# Altium PCB PCB.PcbDoc (continued)
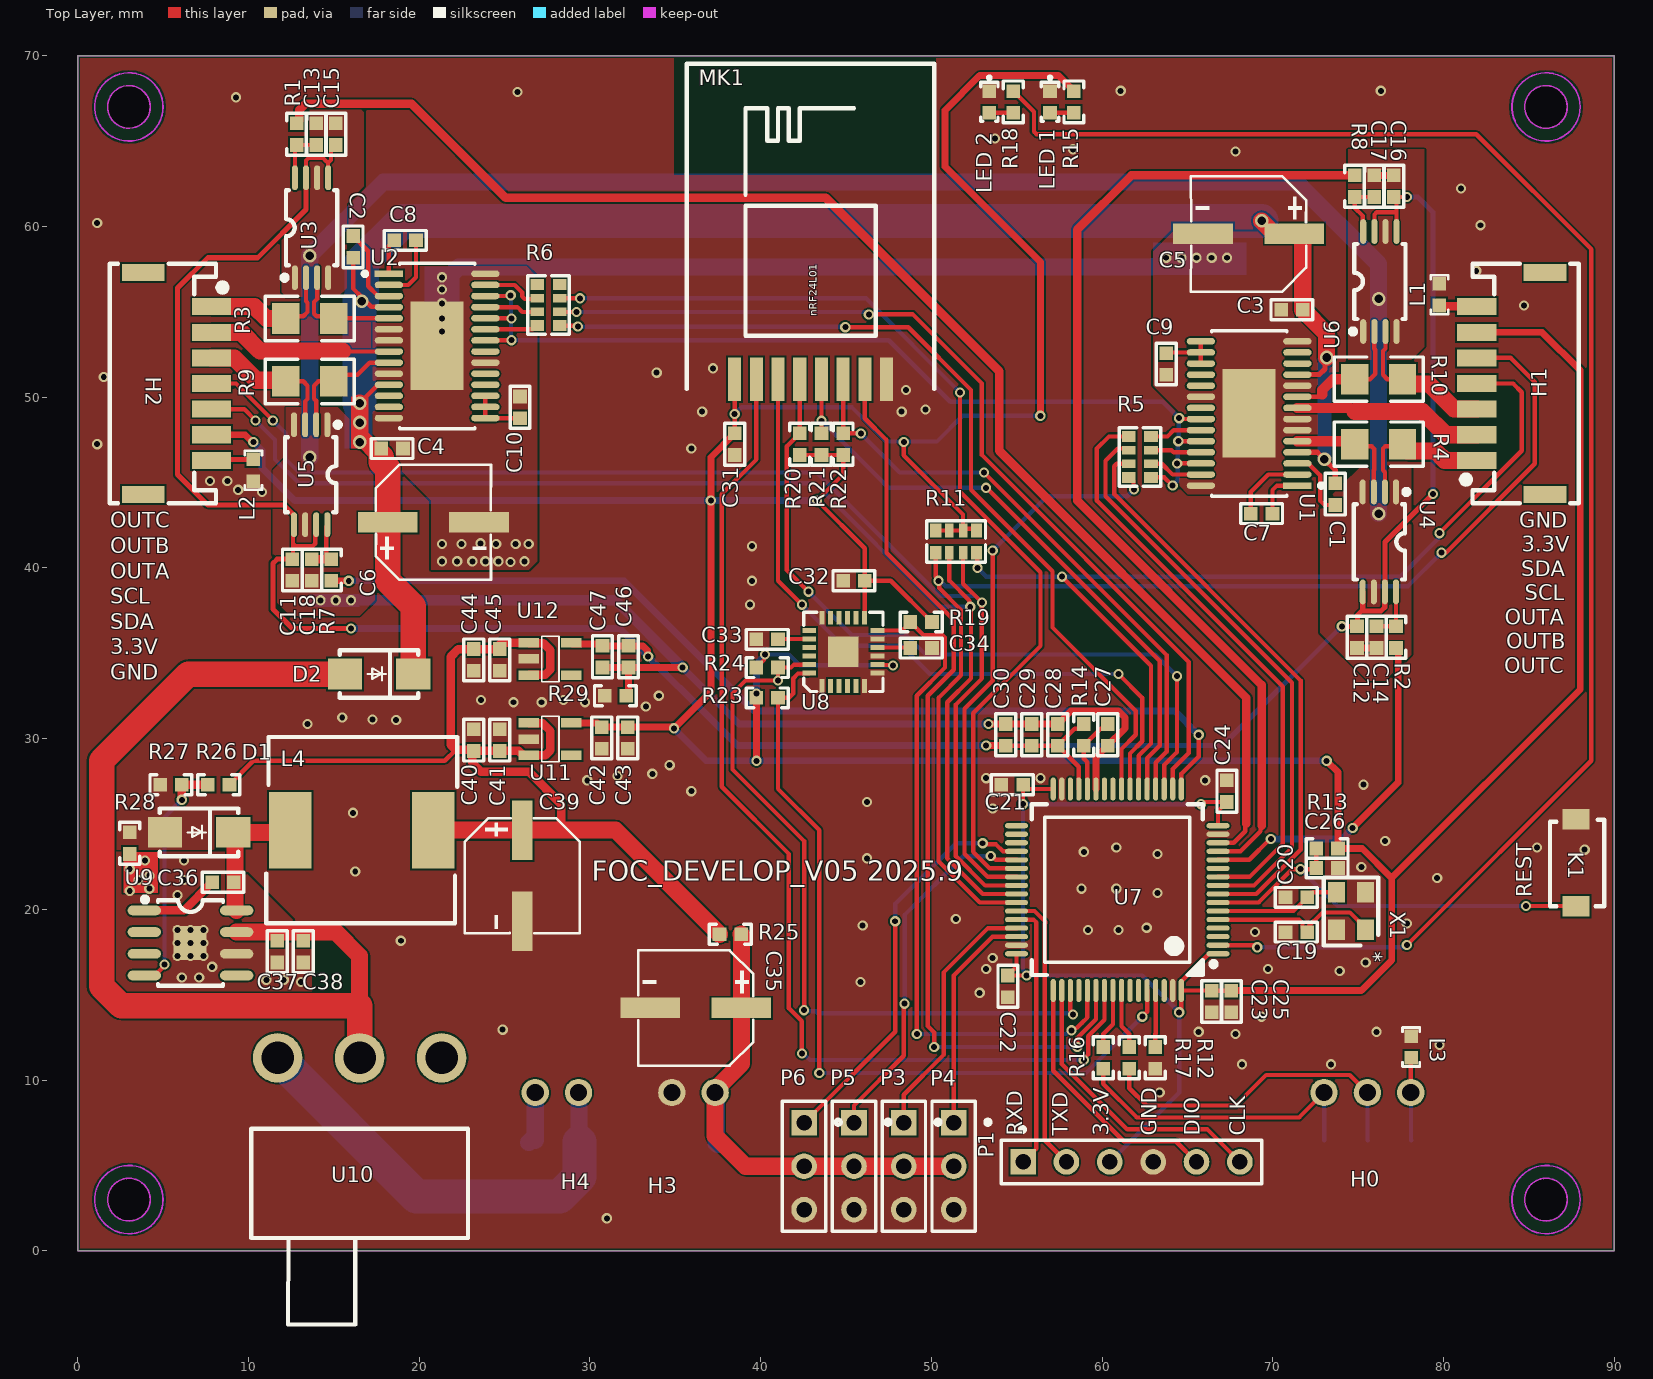
[diagram p0: Top Layer view]
## Nets (pads, with @x,y where several pads share a name; then routed paths per layer and width w, separated by ;. In a path a pad name is that pad's centre, name@x,y a point inside that pad or via, vN(x,y) a via of type N, cw(c..) or ccw(c..) an arc to the next point about the centre after c; other vN are vias at no path point)
3.3V: C21.2 C22.2 C23.2 C24.2 C25.2 C31.1 C32.1 C42.1 C43.1 H1.6 H2.6 MK1.1 P1.3 R11.1 R11.2 R11.3 R11.4 R13.2 R15.2 R19.2 R20.1 R21.1 R22.1 R23.1 R24.1 U7.1 U7.16 U7.32 U7.48 U7.64 U8.8 U8.13 U11.5 | length 318.9
  Top Layer w0.254: C31.1 MK1.1 ; R24.1 40.193,34.605 ; R20.1 R21.1 R22.1 44.831,45.466 v1(43.307,43.942) 46.101,41.148 C32.1 ; U8.13 46.093,39.235 C32.1 ; U8.8 47.094,34.334 47.116,34.312 47.73,34.312 v1(47.752,34.29) ; v1(48.387,47.371) 48.387,46.591 51.854,43.124 51.854,42.342 51.905,42.291 52.705,42.291 R11.1@52.608,42.194 ; R19.2 47.625,39.243 C32.1 ; R11.4 R11.3 R11.2 ; U7.48 54.989,16.635 C22.2 v1(55.58,16.129) ; v1(55.372,26.162) C21.2 55.626,27.051 U7.32 ; v1@64.639,14.186 U7.64 ; v1@66.007,26.289 C24.2 66.789,25.768 U7.16 ; U7.1 66.264,17.401 64.639,15.776 U7.64 ; C25.2 C23.2 66.41,15.251 U7.64
  Top Layer w0.4: H2.6 9.804,47.8 10.233,47.371 v1(10.287,47.371) ; U11.5 30.445,30.924 C42.1 34.802,30.676 34.871,30.607 v1(34.925,30.607) 37.084,32.766 37.084,46.482 C31.1 ; v1(39.751,28.702) R23.1 v1(39.751,32.639) ; v1@56.388,48.895 56.388,57.912 50.8,63.5 50.8,66.802 52.832,68.834 57.443,68.834 R15.2 ; C25.2 75.184,15.24 76.962,17.018 76.962,21.844 ; v1(73.152,28.702) 73.815,28.039 R13.2 75.239,23.567 76.962,21.844 ; H1.6 85.773,53.8 88.011,51.562 88.011,32.893 76.962,21.844
  Bottom Layer w0.254: v1(38.481,49.022) 38.862,49.403 45.356,49.403 47.356,47.402 50.323,47.402 51.832,48.911 v1(56.382,48.911) ; v1(40.259,34.925) 41.656,34.925 42.291,34.29 v1(47.752,34.29) ; v1(55.58,16.129) 55.58,16.223 55.372,16.431 v1(55.372,26.162) v1(65.786,26.162) ; v1@55.626,16.129 62.357,16.129 v1(64.516,13.97) 64.516,9.271 P1.3
  Bottom Layer w0.4: v1(10.287,47.371) 10.795,46.863 10.795,45.847 12.7,43.942 v1(37.084,43.942) ; v1(34.925,30.607) 36.83,28.702 v1(73.152,28.702) ; v1@37.118,43.942 v1(43.307,43.942) ; v1(39.751,32.639) 39.751,34.363 40.259,34.871 v1(40.259,34.925)
5V: C39.1 C40.2 C41.2 C44.2 C45.2 L4.2 R25.1 R26.2 U11.1 U11.3 U12.1 U12.3 | length 65.9
  Top Layer w0.254: R26.2 10.287,28.702 21.502,28.702 22.137,29.337 ; C39.1 C39.1@26.035,25.791
  Top Layer w0.5: U11.1 26.441,30.899 27.228,30.899 27.686,30.441 27.686,29.317 27.393,29.025 U11.3 26.091,29.025 25.837,29.279 C41.2 C40.2 C40.2@23.114,29.192 ; U12.3 26.441,33.749 27.393,33.749 27.686,34.041 27.686,35.179 27.267,35.598 26.441,35.598 U12.1 24.821,35.623 24.446,35.248 C44.2 22.294,35.248 21.844,34.798 21.844,29.63 22.137,29.337 23.051,29.337 23.114,29.274 C40.2@23.114,29.192 ; 28.321,24.641 28.321,26.162 26.416,28.067 23.622,28.067 23.114,28.575 C40.2@23.114,29.192
  Top Layer w1: L4.2 26.032,24.638 C39.1 28.321,24.641 31.493,24.641 R25.1
5V_M: C35.1 H3.2 P3.2 P4.2 P5.2 P5V.0 P6.2 R25.2 | length 30.3
  Top Layer w1: R25.2 38.868,18.536 C35.1 38.868,10.963 37.338,9.433 H3.2 37.338,6.731 39.116,4.953 P6.2 P5.2 P3.2 P4.2
  Bottom Layer w1: H3.2 37.401,9.207 37.401,6.286 P5V.0@37.465,6.223
ADC1_IN1: R2.1 U7.12 | length 20.3
  Top Layer w0.254: U7.12 68.621,22.901 69.843,24.123 v1(69.879,24.123)
  Top Layer w0.4: v1(74.676,24.765) 77.343,27.432 R2.1@77.343,35.306
  Bottom Layer w0.4: v1(69.879,24.123) 69.887,24.13 74.038,24.13 74.673,24.765 v1(74.676,24.765)
ADC1_IN2: R8.1 U7.13 | length 60.3
  Top Layer w0.254: U7.13 68.105,23.401 69.276,24.572 69.276,24.826 69.342,24.892
  Top Layer w0.5: 69.342,24.892 69.342,33.147 58.547,43.942 58.547,59.817 61.722,62.992 R8.1
ADC1_IN3: R1.1 U7.14 | length 83.3
  Top Layer w0.254: U7.14 67.716,23.901 68.387,24.572 68.387,24.953 68.453,25.019
  Top Layer w0.5: R1.1 12.977,66.19 12.977,66.825 13.335,67.183 19.558,67.183 25.063,61.678 43.815,61.678 53.975,51.518 53.975,46.863 68.453,32.385 68.453,25.019
ADC1_IN4: R7.1 U7.17 | length 58.1
  Top Layer w0.254: U7.17 64.639,27.936 65.659,28.956 v1(65.659,30.226)
  Top Layer w0.4: R7.1 v1(15.875,39.243)
  Bottom Layer w0.4: v1(15.875,39.243) 32.004,39.243 39.624,31.623 64.262,31.623 v1(65.659,30.226)
AGND: C11.2 C12.2 C13.1 C14.1 C15.2 C16.2 C17.1 C18.1 C27.1 C28.1 C29.1 C30.1 C46.2 C47.2 R29.1 U3.1 U3.4 U3.6 U4.1 U4.4 U4.6 U5.1 U5.4 U5.6 U6.1 U6.4 U6.6 U7.27 | length 155.2
  Top Layer w0.4: C47.2 C46.2 ; R29.1 32.258,32.639 C46.2 ; v1(35.433,34.163) C46.2 ; v1(53.34,30.861) C30.1 C29.1 C28.1 58.166,31.623 60.96,31.623 61.341,31.242 61.341,30.607 C27.1 59.639,28.905 U7.27 ; C12.2 C14.1 ; C17.1 C16.2
  Bottom Layer w0.4: v1(35.433,34.163) 38.735,30.861 v1(53.34,30.861)
  Bottom Layer w0.6: v1(16.002,38.1) 31.496,38.1 v1(35.433,34.163)
  Bottom Layer w1: v2(13.589,46.482) v2(13.589,58.293) 17.907,62.611 71.374,62.611 76.2,57.785 v2(76.2,55.753) v2(76.2,43.18)
  other v1: 14.224,38.1 15.113,38.1
BOOT0: R12.2 U7.61 | length 3.3
  Top Layer w0.254: R12.2 63.119,12.7 63.139,12.72 U7.61
DRV_EN: R5.8 U7.39 | length 32.7
  Top Layer w0.254: v1(53.594,41.021) 53.594,33.401 51.943,31.75 51.943,23.255 53.297,21.901 U7.39 ; R5.8 61.64,45.301 61.838,45.103 61.838,44.625 v1(61.867,44.596)
  Bottom Layer w0.254: v1(53.594,41.021) 56.769,44.196 61.468,44.196 v1(61.867,44.596)
GND: "LED 1.2" "LED 2.2" C19.1 C20.1 C21.1 C22.1 C23.1 C24.1 C25.1 C26.1 C31.2 C32.2 C33.2 C34.1 C35.2 C39.2 C40.1 C41.1 C42.2 C43.2 C44.1 C45.1 D1.2 GND.0 H3.1 K1.2 L1.2 L2.2 L3.2 MK1.8 P1.4 P3.3 P4.3 P5.3 P6.3 R12.1 R27.1 R28.1 R29.2 U7.15 U7.31 U7.47 U7.63 U8.1 U8.6 U8.7 U8.9 U8.11 U8.18 U11.2 U12.2 X1.2 X1.4
  other v1: 30.988,1.905 63.373,9.271 68.199,10.922 73.406,10.922 79.756,12.065 67.818,12.7 65.659,12.827 76.073,12.827 24.892,12.954 69.342,13.716 52.832,15.113 45.847,15.748 73.914,16.383 53.213,16.51 69.723,16.51 75.438,16.891 53.594,17.145 18.923,18.161 68.961,18.669 59.182,18.796 60.96,18.796 62.611,18.923 45.974,19.05 77.851,19.177 51.435,19.431 63.246,20.955 58.801,21.209 60.833,21.209 79.629,21.844 16.256,22.225 75.184,22.479 46.228,22.987 63.246,23.241 58.928,23.368 88.265,23.495 60.833,23.622 85.471,23.622 76.581,24.003 16.129,25.654 53.594,25.908 46.228,26.289 35.941,26.924 75.311,27.305 29.845,27.559 66.04,27.559 53.213,27.686 56.388,27.686 31.623,27.813 33.655,27.94 34.671,28.448 13.462,30.861 18.654,31.088 17.272,31.115 15.494,31.242 33.274,31.877 25.527,32.131 27.178,32.131 29.718,32.131 23.622,32.258 28.448,32.258 34.036,32.512 39.37,37.846 39.497,39.243 39.497,41.275 10.795,44.45 9.398,44.577 7.747,45.085 8.763,45.085 35.941,46.99 1.143,47.244 36.576,49.149 48.26,49.149 49.657,49.276 48.514,50.419 1.524,51.181 33.909,51.435 37.211,51.689 84.709,55.372 81.915,57.404 82.169,60.071 1.143,60.198 81.026,62.23 67.818,64.389 58.293,64.516 53.721,65.151 9.271,67.564 25.753,67.876 61.087,67.945 76.327,67.945
GT24_CE: MK1.2 U7.55 | length 63.5
  Top Layer w0.254: MK1.2 39.751,46.355 37.719,44.323 37.719,27.178 41.656,23.241 41.656,14.203 42.418,13.441 v1(42.418,11.557) ; v1(58.928,11.176) 58.928,11.244 59.182,11.498 59.182,12.573 60.139,13.53 U7.55
  Bottom Layer w0.254: v1(42.418,11.557) 42.512,11.557 42.893,11.176 v1(58.928,11.176)
GT24_IRQ: MK1.7 U7.54 | length 54.2
  Top Layer w0.254: MK1.7 46.101,48.768 47.371,47.498 47.371,40.894 51.308,36.957 51.308,34.036 49.784,32.512 49.784,13.168 50.165,12.787 v1(50.165,11.938) ; v1(58.547,11.938) 58.547,12.471 59.639,13.562 U7.54
  Bottom Layer w0.254: v1(50.165,11.938) v1(58.547,11.938)
HSE_I: C19.2 U7.5 X1.1 | length 9.9
  Top Layer w0.254: U7.5 71.531,19.401 71.736,19.196 71.736,18.942 71.755,18.923 72.009,18.923 72.906,19.82 74.514,19.82 75.438,18.896 X1.1
HSE_O: C20.2 U7.6 X1.3 | length 7.4
  Top Layer w0.254: U7.6 71.209,19.901 C20.2 72.304,20.996 X1.3
I2C1_SCL: R24.2 U7.51 U8.23 | length 43.2
  Top Layer w0.254: v1(42.545,14.097) 42.545,24.003 38.354,28.194 38.354,32.639 39.116,33.401 v1(41.021,33.401) R24.2 41.783,34.163 41.954,34.334 U8.23 ; U7.51 58.139,14.091 58.293,13.937 v1(58.293,13.843)
  Bottom Layer w0.254: v1(42.545,14.097) 42.608,14.034 43.226,14.034 43.353,13.906 58.229,13.906 v1(58.293,13.843)
I2C1_SDA: R23.2 U7.60 U8.24 | length 47.9
  Top Layer w0.254: U8.24 42.82,33.811 42.193,33.811 41.91,33.528 41.91,32.639 41.656,32.385 R23.2 41.021,27.056 43.434,24.643 v1(43.434,10.414) ; v1(62.357,13.716) 62.639,13.998 U7.60
  Bottom Layer w0.254: v1(43.434,10.414) 59.055,10.414 61.883,13.242 v1(62.357,13.716)
I2C2_SCL: H1.4 R11.8 U7.22 | length 57.4
  Top Layer w0.254: R11.8 52.679,40.868 52.679,40.031 v1(52.705,40.005) ; v1(57.647,39.486) 58.166,38.968 62.865,34.269 62.865,29.718 62.139,28.992 U7.22 ; v1(79.756,42.037) 84.582,46.863 84.582,50.292 84.074,50.8 H1.4
  Bottom Layer w0.254: v1(52.705,40.005) 53.224,39.486 77.459,39.486 79.69,41.717 79.69,41.971 v1(79.756,42.037)
I2C2_SDA: H1.5 R11.5 U7.42 | length 71.6
  Top Layer w0.254: R11.5 50.254,39.501 50.419,39.337 v1(50.419,39.243) 50.456,39.206 50.456,38.825 51.741,37.54 51.741,33.707 50.419,32.385 50.419,22.814 52.832,20.401 U7.42 ; v1(79.883,40.894) 80.137,40.894 85.345,46.102 85.345,50.893 83.937,52.3 H1.5
  Bottom Layer w0.254: v1(50.419,39.243) 50.513,39.243 50.823,38.932 77.921,38.932 v1(79.883,40.894)
I2C3_SCL: H2.4 R11.7 U7.40 | length 74.5
  Top Layer w0.254: H2.4 9.271,50.8 v1(11.43,48.641) ; R11.7 51.854,39.078 v1(52.959,37.973) 52.959,33.528 51.435,32.004 51.435,23.114 53.148,21.401 U7.40
  Bottom Layer w0.254: v1(11.43,48.641) 12.192,47.879 12.192,46.355 12.954,45.593 43.286,45.593 50.525,38.354 52.578,38.354 v1(52.959,37.973)
I2C3_SDA: H2.5 R11.6 U7.41 | length 73.8
  Top Layer w0.254: H2.5 9.755,49.3 v1(10.414,48.641) ; R11.6 51.054,39.255 52.228,38.081 52.228,37.768 v1(52.278,37.718) ; v1@52.295,37.726 52.324,37.697 52.324,33.528 50.927,32.131 50.927,22.987 53.013,20.901 U7.41
  Bottom Layer w0.254: v1(10.414,48.641) 11.557,47.498 11.557,46.355 12.954,44.958 43.18,44.958 50.42,37.718 v1(52.278,37.718)
LED0: R18.2 U7.2 | length 94.8
  Top Layer w0.254: R18.2 56.007,66.714 56.007,65.554 56.156,65.405 81.915,65.405 88.646,58.674 88.646,28.702 v1(77.851,17.907) ; U7.2 68.967,17.901 v1(69.088,17.78)
  Bottom Layer w0.254: v1(69.088,17.78) 77.63,17.78 77.757,17.907 v1(77.851,17.907)
M1_CS1: R4.1 U1.5 U4.3 | length 7.2
  Top Layer w0.254: R4.1 74.927,47.117 75.797,47.117 75.946,46.968 75.946,45.75 75.916,45.72 U4.3
  Top Layer w0.6: U1.5 74.623,47.421 R4.1
M1_CS2: H1.2 U1.8 | length 11.2
  Top Layer w0.6: U1.8 74.581,49.371 74.803,49.149
  Top Layer w1: 74.803,49.149 78.774,49.149 80.123,47.8 H1.2
M1_CS3: R10.2 U1.9 U6.2 | length 7.8
  Top Layer w0.254: U1.9 72.754,50.021 72.898,50.165 ; R10.2 75.692,51.054 76.002,51.364 76.002,52.776 75.946,52.832 U6.2
  Top Layer w0.6: 72.898,50.165 72.898,50.419 73.533,51.054 R10.2
M1_IN1: R5.2 U1.27 | length 3.2
  Top Layer w0.254: R5.2 63.5,46.101 64.13,45.471 U1.27
M1_IN2: R5.3 U1.25 | length 3
  Top Layer w0.254: R5.3 64.061,46.901 64.191,46.771 U1.25
M1_IN3: R5.4 U1.23 | length 3.1
  Top Layer w0.254: R5.4 63.83,47.701 64.2,48.071 U1.23
M2_CS1: R3.1 U2.5 U3.3 | length 6.7
  Top Layer w0.254: U3.3@14.041,57.017 U3.3 14.022,55.753 13.843,55.574 13.843,54.886 13.992,54.737 14.862,54.737 R3.1 15.004,54.625 U2.5
M2_CS2: H2.2 U2.8 | length 10.8
  Top Layer w0.254: 15.494,52.705 15.524,52.675 U2.8
  Top Layer w1: H2.2 9.573,53.8 10.668,52.705 15.494,52.705
M2_CS3: R9.2 U2.9 U5.2 | length 7.3
  Top Layer w0.254: U5.2 13.97,49.784 13.843,49.911 13.843,50.673 14.097,50.927 R9.2 15.37,51.308 16.383,51.308 17.1,52.025 U2.9
M2_IN1: R6.2 U2.27 | length 3.5
  Top Layer w0.254: U2.27 25.594,56.575 26.035,56.134 26.035,55.902 26.184,55.753 26.886,55.753 R6.2
M2_IN2: R6.3 U2.25 | length 3.2
  Top Layer w0.254: U2.25 25.751,55.275 26.035,54.991 R6.3
M2_IN3: R6.4 U2.23 | length 3.1
  Top Layer w0.254: U2.23 26.633,53.975 26.849,54.191 R6.4
M_EN: R5.1 U1.22 U1.24 U1.26 U2.22 U2.24 U2.26 | length 57.9
  Top Layer w0.254: U2.22 v1@25.4,53.325 ; U2.24 25.385,54.625 v1(25.4,54.61) ; U2.26 25.318,55.925 v1(25.359,55.966) v1@25.4,56.007 ; R5.1 63.646,45.301 64.116,44.831 v1(64.135,44.831) ; v1@64.389,47.498 v1(64.466,47.421) U1.24 ; v1(64.399,46.111) 64.409,46.121 U1.26 ; v1(64.516,48.768) 64.563,48.721 U1.22
  Bottom Layer w0.254: v1(25.359,55.966) 25.38,55.946 25.38,54.61 25.38,53.36 v1(25.4,53.34) 47.498,53.34 51.111,49.727 63.557,49.727 v1(64.516,48.768) 64.491,48.743 64.491,47.446 v1(64.466,47.421) 64.433,47.387 64.433,45.129 v1(64.135,44.831)
M_PWR: C1.2 C2.2 C3.1 C4.1 C5.1 C6.1 D2.1 U1.4 U1.11 U2.4 U2.11 | length 108.3
  Top Layer w0.254: C2.2 16.129,56.363 16.637,55.855 v2(16.637,55.626) 16.866,55.626 17.193,55.299 18.201,55.299 U2.4 ; v2(16.51,49.647) 17.588,50.725 U2.11
  Top Layer w0.3: U1.4 72.609,46.771 v2(73.025,46.355) 73.66,45.72 C1.2 ; U1.11 72.722,51.321 73.056,51.655 73.056,52.228 v2(73.152,52.324)
  Top Layer w1: v2(16.51,49.647) 16.51,47.752 17.78,46.482 ; v2(69.342,60.325) 69.342,60.321 70.1,59.563 71.655,59.563 71.755,59.463 C3.1 73.152,53.721 v2(73.152,52.324)
  Top Layer w1.5: 17.78,46.482 17.78,46.203 18.161,45.822 18.161,39.243 19.653,37.751 D2.1
  Bottom Layer w0.8: v2(73.025,46.355) 73.025,52.197 v2(73.152,52.324)
  Bottom Layer w2: v2(16.51,49.647) 16.51,55.626 v2(16.637,55.626) 16.637,57.912 19.05,60.325 v2(69.342,60.325)
  other v2: 16.51,47.371 16.51,48.514
MPU_INT: R19.1 U7.53 U8.12 | length 40
  Top Layer w0.254: U8.12 48.272,36.334 R19.1 49.53,36.068 50.651,36.068 50.8,35.919 50.8,34.163 49.149,32.512 v1(49.149,12.7) ; 58.521,13.055 58.805,13.339 59.139,13.673 U7.53
  Bottom Layer w0.254: v1(49.149,12.7) 57.899,12.7 58.113,12.913 v1(58.207,12.913)
NetC1_1: C1.1 U1.3 | length 4.1
  Top Layer w0.254: U1.3 72.074,46.121 72.771,45.424 72.771,43.942 73.025,43.688 C1.1
NetC2_1: C2.1 U2.3 | length 4.8
  Top Layer w0.254: C2.1 17.018,58.547 17.018,56.495 17.588,55.925 U2.3
NetC7_1: C7.1 U1.2 | length 4.4
  Top Layer w0.254: C7.1 68.707,44.45 69.728,45.471 U1.2
NetC7_2: C7.2 U1.1 | length 2.9
  Top Layer w0.254: C7.2 69.977,44.557 70.241,44.821 U1.1
NetC8_1: C8.1 U2.2 | length 3.9
  Top Layer w0.254: U2.2 19.364,56.575 19.812,57.023 C8.1
NetC8_2: C8.2 U2.1 | length 2.1
  Top Layer w0.254: U2.1 18.225,58.865 C8.2
NetC13_2: C13.2 R1.2 U3.8 | length 3.1
  Top Layer w0.254: U3.8 12.722,64.665 R1.2 C13.2
NetC14_2: C14.2 R2.2 U4.8 | length 3.2
  Top Layer w0.254: C14.2 R2.2 U4.8
NetC17_2: C17.2 R8.2 U6.8 | length 3.4
  Top Layer w0.254: U6.8 75.277,59.721 75.277,60.613 74.803,61.087 R8.2 C17.2
NetC18_2: C18.2 R7.2 U5.8 | length 3.2
  Top Layer w0.254: U5.8@14.564,42.412 14.564,40.808 R7.2
  Top Layer w0.5: C18.2 R7.2
NetC27_2: C27.2 R14.1 U7.28 | length 4.6
  Top Layer w0.254: U7.28 59.139,28.618 58.928,28.829 R14.1 59.925,30.588 60.052,30.588 C27.2
NetC33_1: C33.1 U8.20 | length 1.8
  Top Layer w0.254: C33.1 41.041,35.834 U8.20
NetC34_2: C34.2 U8.10 | length 1.9
  Top Layer w0.254: U8.10 48.74,35.334 C34.2
NetC36_1: C36.1 U9.1 | length 4.7
  Top Layer w0.5: U9.1 6.223,19.939 C36.1
NetC36_2: C36.2 D1.1 L4.1 U9.8 | length 8
  Top Layer w1: U9.8 9.211,20.038 9.211,24.412 D1.1 12.319,24.511 L4.1
NetGND1_0: GND1.0 H0.3 L3.1 | length 5
  Top Layer w0.254: H0.3@77.978,9.144 H0.3@78.08,9.042 ; H0.3 78.08,11.278 L3.1
  Bottom Layer w0.254: H0.3 78.09,9.261 78.09,6.487 GND1.0
NetH0_1: H0.1 R16.2 TX1.0 | length 18
  Top Layer w0.254: R16.2 60.071,9.779 62.039,7.81 71.539,7.81 H0.1
  Bottom Layer w0.254: H0.1 73.01,9.261 73.01,6.487 TX1.0
NetH0_2: H0.2 R17.2 RX1.0 | length 19.5
  Top Layer w0.254: R17.2 61.595,9.525 62.611,8.509 67.818,8.509 69.609,10.3 74.511,10.3 H0.2
  Bottom Layer w0.254: H0.2 75.55,9.261 75.55,6.487 RX1.0
NetH1_7: H1.7 L1.1 | length 2.2
  Top Layer w0.5: L1.1 79.792,55.336 81.911,55.336 H1.7
NetH2_7: H2.7 L2.1 | length 2.5
  Top Layer w0.3: H2.7@7.874,46.268 H2.7 7.897,46.355 L2.1
NetH4_2: H4.2 U10.1 VDDP.0 | length 26.5
  Bottom Layer w1: H4.2 29.362,9.246 29.362,6.406 VDDP.0@29.386,6.382
  Bottom Layer w2: U10.1 19.838,3.175 28.214,3.175 29.386,4.347 VDDP.0@29.386,6.382
"NetLED 1_1": "LED 1.1" R15.1 | length 1.4
  Top Layer w0.254: 56.951,66.659 R15.1
"NetLED 2_1": "LED 2.1" R18.1 | length 1.4
  Top Layer w0.254: 53.395,66.659 R18.1
NetR26_1: R26.1 R27.2 U9.4 | length 14
  Top Layer w0.254: U9.4 4.517,16.129 5.08,16.692 v1(5.08,16.764)
  Top Layer w0.5: v1(6.096,26.416) R27.2 R26.1
  Bottom Layer w0.254: v1(5.08,16.764) 5.08,25.4 v1(6.096,26.416)
NRST: C26.2 K1.1 R13.1 U7.7 | length 24.8
  Top Layer w0.254: U7.7 69.169,20.401 71.12,22.352 v1(71.628,22.352) 72.473,22.352 C26.2 R13.1 ; v1(84.836,20.193) 87.737,20.193 K1.1
  Bottom Layer w0.254: v1(71.628,22.352) 73.787,20.193 v1(84.836,20.193)
OUT1: H1.1 R4.2 U4.2 | length 8.6
  Top Layer w0.254: U4.2 76.566,45.608 76.454,45.72 76.454,46.99 76.581,47.117 77.473,47.117 R4.2
  Top Layer w1: R4.2@77.6,47.183 77.6,47.144 77.9,46.844 79.521,46.844 80.065,46.3 H1.1
OUT2: H1.3 R10.1 U6.3 | length 8.9
  Top Layer w0.254: U6.3 76.596,52.847 76.454,52.705 76.454,51.308 76.708,51.054 R10.1
  Top Layer w1: R10.1 77.877,50.777 79.144,50.777 80.621,49.3 H1.3
OUT3: H2.1 R3.2 U3.2 | length 8.1
  Top Layer w0.254: R3.2 12.316,54.737 13.208,54.737 13.462,54.991 13.462,55.536 13.372,55.626 13.372,56.75 13.391,56.769 U3.2@13.391,57.017
  Top Layer w1: H2.1 10.359,55.3 11.049,54.61 R3.2
OUT4: H2.3 R9.1 U5.3 | length 8.6
  Top Layer w0.254: R9.1 13.208,50.927 13.462,50.673 13.462,49.89 13.32,49.748 U5.3
  Top Layer w1: H2.3 9.168,52.3 10.475,50.993 12.123,50.993 R9.1
PGND: C3.2 C4.2 C5.2 C6.2 C9.2 C10.2 C37.2 C38.2 H4.1 PGND3.0 R28.2 U1.6 U1.7 U1.10 U1.14 U1.20 U1.28 U1.29 U2.6 U2.7 U2.10 U2.14 U2.20 U2.28 U2.29 U9.6 U9.9 | length 48.1
  Bottom Layer w1: 21.336,54.991 v1(21.336,55.499) v1(21.336,56.307) v1(21.336,57.023) 21.717,57.023 22.317,57.623 62.906,57.623 62.933,57.65 63.492,57.65 63.754,57.912 v1(63.754,58.166) ; PGND3.0@26.416,6.35 PGND3.0@26.607,6.541 ; PGND3.0 H4.1
  other v1: 13.081,15.748 11.049,15.875 12.065,15.875 6.096,16.002 7.112,16.002 7.874,16.637 5.842,17.272 6.604,17.272 7.366,17.272 5.842,18.034 6.604,18.034 7.366,18.034 5.842,18.796 6.604,18.796 7.366,18.796 5.842,20.828 3.048,21.082 4.191,21.209 3.556,21.717 6.223,21.717 4.191,21.971 3.048,22.352 3.937,22.86 6.223,22.86 25.347,40.351 21.336,40.386 22.225,40.386 23.114,40.386 23.876,40.386 24.638,40.386 26.162,40.386 21.336,41.402 22.479,41.402 24.511,41.402 25.654,41.402 26.416,41.402 23.597,41.438 21.336,53.848 21.336,54.61 64.643,58.166 65.532,58.166 66.421,58.166 67.31,58.166
RXD1: P1.1 U7.44 | length 15.6
  Top Layer w0.254: U7.44 55.985,19.401 56.134,19.252 56.134,5.969 P1.1
SPI1_CLK: MK1.4 R20.2 U7.19 | length 43.8
  Top Layer w0.254: MK1.4 R20.2 41.529,47.117 41.529,39.878 v1(42.799,38.608) ; U7.19 63.639,28.46 64.389,29.21 v1(64.389,33.655)
  Bottom Layer w0.254: v1(42.799,38.608) 45.339,36.068 48.514,36.068 49.657,34.925 63.119,34.925 v1(64.389,33.655)
SPI1_CS: MK1.3 U7.23 | length 41.6
  Top Layer w0.254: MK1.3 41.021,39.243 v1(42.418,37.846) ; v1(60.96,33.782) 62.357,32.385 62.357,29.845 61.639,29.127 U7.23
  Bottom Layer w0.254: v1(42.418,37.846) 44.831,35.433 48.26,35.433 49.911,33.782 v1(60.96,33.782)
SPI1_MISO: MK1.6 R22.2 U7.20 | length 35.6
  Top Layer w0.254: MK1.6 R22.2 v1(45.868,47.879) ; v1(53.086,45.593) 63.779,34.9 63.779,29.235 63.139,28.595 U7.20
  Bottom Layer w0.254: v1(45.868,47.879) 48.154,45.593 v1(53.086,45.593)
SPI1_MOSI: MK1.5 R21.2 U7.21 | length 36.6
  Top Layer w0.254: R21.2 MK1.5 ; v1(53.202,44.693) 53.224,44.693 63.373,34.544 63.373,29.591 62.639,28.857 U7.21
  Bottom Layer w0.254: v1(43.561,48.62) 47.484,44.696 53.199,44.696 v1(53.202,44.693)
SWCLK: P1.6 U7.50 | length 17.1
  Top Layer w0.254: U7.50 57.639,10.941 61.468,7.112 66.167,7.112 P1.6
SWDIO: P1.5 U7.49 | length 15.3
  Top Layer w0.254: U7.49 57.139,10.552 61.272,6.419 64.32,6.419 P1.5
TIM1_CH1: R5.7 U7.8 | length 33.8
  Top Layer w0.254: R5.7 60.855,46.101 60.706,45.952 60.706,44.323 71.628,33.401 71.628,23.495 69.034,20.901 U7.8
TIM1_CH2: R5.6 U7.9 | length 34.1
  Top Layer w0.254: R5.6 61.476,46.99 60.911,46.99 60.198,46.277 60.198,44.196 71.12,33.274 71.12,23.622 68.899,21.401 U7.9
TIM1_CH3: R5.5 U7.10 | length 34.4
  Top Layer w0.254: R5.5 60.401,47.701 59.69,46.99 59.69,43.942 70.591,33.041 70.591,23.855 68.637,21.901 U7.10
TIM3_CH1: R6.7 U7.38 | length 59.2
  Top Layer w0.254: R6.7 v1(29.426,55.791) v1@29.464,55.753 ; v1(51.678,50.281) 51.678,44.461 56.388,39.751 56.388,35.433 52.451,31.496 52.451,23.368 53.418,22.401 U7.38
  Bottom Layer w0.254: v1(29.426,55.791) 46.168,55.791 v1(51.678,50.281)
TIM3_CH2: R6.6 U7.18 | length 55.6
  Top Layer w0.254: R6.6 v1(29.21,54.991) ; v1(46.334,54.843) 46.355,54.864 48.895,54.864 52.959,50.8 52.959,46.609 65.077,34.491 65.077,29.157 64.139,28.219 U7.18
  Bottom Layer w0.254: v1(29.21,54.991) 46.091,54.991 46.24,54.843 v1(46.334,54.843)
TIM3_CH3: R6.5 U7.24 | length 53.4
  Top Layer w0.254: R6.5 29.248,54.191 v1(29.292,54.147) v1@29.337,54.102 ; v1(44.958,54.102) 48.641,54.102 52.324,50.419 52.324,44.577 57.093,39.808 57.093,36.506 61.976,31.623 61.976,30.226 61.139,29.389 U7.24
  Bottom Layer w0.254: v1(29.292,54.147) 29.315,54.124 44.936,54.124 v1(44.958,54.102)
TIM4_CH1: P3.1 U7.45 | length 15.1
  Top Layer w0.254: P3.1 48.387,9.144 50.719,11.476 50.719,16.302 53.318,18.901 U7.45
TIM4_CH2: P4.1 U7.46 | length 13.3
  Top Layer w0.254: P4.1 51.308,16.129 53.58,18.401 U7.46
TIM15_CH1: P6.1 U7.36 | length 23.8
  Top Layer w0.254: P6.1 47.879,12.827 v1(47.879,19.304) ; v1(53.005,23.873) 53.071,23.807 53.79,23.807 54.196,23.401 U7.36
  Bottom Layer w0.254: v1(47.879,19.304) 47.879,20.32 51.435,23.876 53.002,23.876 v1(53.005,23.873)
TIM15_CH2: P5.1 U7.37 | length 21.5
  Top Layer w0.254: P5.1 45.466,8.509 48.387,11.43 48.387,14.432 v1(48.433,14.478) ; v1(53.478,23.125) 53.55,23.125 53.774,22.901 U7.37
  Bottom Layer w0.254: v1(48.433,14.478) 48.433,19.677 51.87,23.114 53.467,23.114 v1(53.478,23.125)
TXD1: P1.2 U7.43 | length 16.5
  Top Layer w0.254: U7.43 56.045,19.901 56.664,19.282 56.664,19.199 56.642,19.177 56.642,6.477 57.785,5.334 P1.2
USART2_RX: R17.1 U7.57 | length 3.5
  Top Layer w0.254: U7.57 61.139,13.156 61.595,12.7 R17.1
USART2_TX: R16.1 U7.56 | length 3.5
  Top Layer w0.254: R16.1 60.071,12.7 60.639,13.268 U7.56
V3P3: C9.1 U1.15 U1.16 U1.17 | length 3.3
  Top Layer w0.254: C9.1 63.797,52.621 U1.16 ; U1.17 U1.16 ; U1.15 U1.16
V3P32: C10.1 U2.15 U2.16 U2.17 | length 3.3
  Top Layer w0.254: U2.17 U2.16 U2.15 25.901,48.775 C10.1
VDDA: C11.1 C12.1 C15.1 C16.1 C28.2 C29.2 C30.2 C46.1 C47.1 R14.2 U3.5 U3.7 U4.5 U4.7 U5.5 U5.7 U6.5 U6.7 U7.29 U12.5 | length 162.5
  Top Layer w0.243: C11.1 12.614,40.554 12.614,41.417 ; U5.5@12.614,42.412 12.614,41.417 ; U5.5 U5.5@12.67,43.084 ; U3.7 13.372,63.866 13.514,64.008 14.351,64.008 14.478,63.881 14.651,63.708 ; U5.7@13.914,42.412 13.914,41.417 13.772,41.275 12.756,41.275 12.614,41.417 ; U3.5 14.651,62.873 14.651,63.708 ; C15.1 14.834,64.491 14.834,63.891 14.651,63.708 ; U6.7 75.946,60.691 76.088,60.833 77.246,60.833 ; U6.5 77.246,60.833 ; v1(77.851,61.722) C16.1 77.246,61.565 77.246,60.833
  Top Layer w0.254: C30.2 C29.2 C28.2 ; U7.29 58.639,28.356 C28.2 ; R14.2 58.655,30.588 58.401,30.588 C28.2
  Top Layer w0.3: C11.1 11.684,40.513 11.43,40.259 11.43,37.592 12.573,36.449 v1(16.002,36.449) ; U5.5@12.67,43.084 12.066,43.688 7.62,43.688 5.842,45.466 5.842,56.388 7.62,58.166 10.541,58.166 13.372,60.997 U3.7 ; v1(74.041,36.576) C12.1 74.969,36.615 74.969,37.25 75.184,37.465 ; U4.5 75.266,37.547 75.184,37.465 ; v1(79.375,44.323) 76.566,41.514 U4.7 76.556,38.586 76.556,37.694 76.327,37.465 75.184,37.465
  Top Layer w0.4: U12.5 28.991,35.548 30.619,35.548 C47.1 33.105,35.433 33.376,35.163 33.376,34.849 v1(33.414,34.811) ; v1(53.213,29.591) C30.2
  Bottom Layer w0.3: v1(53.213,29.591) 67.056,29.591 v1(74.041,36.576) ; v1(77.851,61.722) 78.486,61.722 79.375,60.833 v1(79.375,44.323)
  Bottom Layer w0.4: v1(16.002,36.449) 31.776,36.449 38.634,29.591 v1(53.213,29.591)
VDDP: C37.1 C38.1 D2.2 U9.7 U10.2 | length 58.9
  Top Layer w1: U9.7 15.113,18.669 16.51,17.272 16.51,14.351
  Top Layer w1.5: D2.2 6.477,33.782 1.397,28.702 1.397,15.494 2.54,14.351 16.51,14.351 U10.2
pads on no net: H1.8 H1.9 H2.8 H2.9 R6.1 R6.8 U1.12 U1.13 U1.18 U1.19 U1.21 U2.12 U2.13 U2.18 U2.19 U2.21 U7.3 U7.4 U7.11 U7.25 U7.26 U7.30 U7.33 U7.34 U7.35 U7.52 U7.58 U7.59 U7.62 U8.2 U8.3 U8.4 U8.5 U8.14 U8.15 U8.16 U8.17 U8.19 U8.21 U8.22 U9.2 U9.3 U9.5 U10.3 U11.4 U12.4

## Polygon pours and split planes (outlines as drawn)
GND on Top Layer "GND_L01_P010" (solid, remove dead copper, pour order 10): 0,0 0,70 90,70 90,0
AGND on Top Layer "AGND_L01_P007" (solid, pour order 7): 78.105,45.847 78.105,34.925 76.581,33.401 75.565,33.401 72.771,36.195 72.771,43.561 75.057,45.847
AGND on Top Layer "AGND_L01_P005" (solid, pour order 5): 13.589,67.31 13.589,60.833 11.938,59.182 11.938,56.134 12.192,55.88 15.24,55.88 15.748,56.388 15.748,61.341 16.764,62.357 16.764,66.675 16.129,67.31
PGND on Top Layer "PGND_L01_P009" (solid, pour order 9): 8.636,23.368 13.716,18.288 13.716,14.986 2.794,14.986 2.032,15.748 2.032,23.368
AGND on Top Layer "AGND_L01_P006" (solid, pour order 6): 78.867,64.516 74.422,64.516 74.422,52.197 78.105,52.197 78.867,52.959 78.867,58.801
AGND on Top Layer "AGND_L01_P004" (solid, pour order 4): 12.192,49.403 15.24,49.403 17.399,47.244 17.399,38.1 16.51,37.211 12.446,37.211 11.43,38.227 11.43,45.72 12.192,46.482
PGND on Top Layer "PGND_L01_P001" (solid, pour order 1): 18.923,57.658 17.272,56.007 17.272,47.371 20.701,43.942 20.701,39.878 26.416,39.878 26.924,40.386 26.924,57.023 26.289,57.658
PGND on Top Layer "PGND_L01_P003" (solid, pour order 3): 71.501,59.69 71.501,55.499 72.644,54.356 72.644,47.625 69.342,44.323 65.024,44.323 64.516,44.831 64.516,49.149 62.992,50.673 62.992,58.547 64.135,59.69
GND on Bottom Layer "GND_L02_P011" (solid, remove dead copper, pour order 11): 0,0 0,70 90,70 90,0
PGND on Bottom Layer "PGND_L02_P008" (solid, pour order 8): 0,43.815 0.762,43.815 26.924,43.815 26.924,40.386 26.416,39.878 12.573,39.878 12.573,22.479 24.003,11.049 27.559,11.049 27.559,0.127 0,0.127

## Keep-outs
Keep-Out Layer:
  circle w0.1: c3,67 r1.25
  circle w0.1: c3,3 r1.25
  circle w0.1: c86,3 r1.25
  circle w0.1: c86,67 r1.25
  circle w0.1: c3,67 r2
  circle w0.1: c3,3 r2
  circle w0.1: c86,3 r2
  circle w0.1: c86,67 r2
  lines w0.1: 0,0 0,70 90,70 90,0 0,0

## Other copper
Top Layer:
  rectangle net PGND: 2.667,20.955 4.699,23.368
  rectangle net M_PWR: 16.002,46.99 17.018,50.038
  pour cut-out: 34.925,69.85 50.292,69.85 50.292,63.119 50.165,62.992 34.925,62.992
Bottom Layer:
  rectangle net PGND: 20.32,53.086 22.352,57.658
  rectangle net PGND: 62.992,57.15 68.453,59.055
  rectangle net AGND: 13.589,37.719 16.51,38.481
  rectangle net M_PWR: 15.621,46.99 17.272,50.165
  pour cut-out: 34.925,69.977 50.292,69.977 50.292,63.5 34.925,63.5

## Silkscreen, mask and mechanical layers (free items; w line width, h text height)
Top Overlay:
  text "OUTC" at 1.905,42.053 h1.52
  text "GND" at 84.424,42.053 h1.52
  text "3.3V" at 84.572,40.645 h1.52
  text "OUTB" at 1.905,40.569 h1.52
  text "SDA" at 84.565,39.225 h1.52
  text "OUTA" at 1.905,39.085 h1.52
  text "SCL" at 84.766,37.805 h1.52
  text "SCL" at 1.905,37.602 h1.52
  text "OUTA" at 83.585,36.384 h1.52
  text "SDA" at 1.905,36.118 h1.52
  text "OUTB" at 83.66,34.964 h1.52
  text "3.3V" at 1.905,34.647 h1.52
  text "OUTC" at 83.566,33.544 h1.52
  text "GND" at 1.905,33.163 h1.52
  text "FOC_DEVELOP_V05 2025.9" at 30.099,21.309 h2
  text "REST" at 85.455,20.701 h1.52 r90
  text "RXD" at 55.626,6.731 h1.52 r90
  text "TXD" at 58.293,6.731 h1.52 r90
  text "3.3V" at 60.689,6.731 h1.52 r90
  text "GND" at 63.484,6.731 h1.52 r90
  text "DIO" at 66.024,6.731 h1.52 r90
  text "CLK" at 68.691,6.731 h1.52 r90
Top Solder:
  circle w1: c3,3 r1.5
  circle w1: c3,67 r1.5
  circle w1: c86,67 r1.5
  circle w1: c86,3 r1.5
Bottom Solder:
  circle w1: c3,3 r1.5
  circle w1: c3,67 r1.5
  circle w1: c86,67 r1.5
  circle w1: c86,3 r1.5

## Text inside footprints (layer, text, board x,y; h text height)
MK1: Top Overlay "nRF24L01" at 43.426,54.737 h0.76 r90
X1: Top Overlay "*" at 77.089,16.891 h1.52 r90